# Altium PCB ctrl_boardV1.1.PcbDoc (part 3 of 3)
Units mil, origin at the board's own origin, x right, y up, seen from the top; angles counter-clockwise.
Board outline 8346.46 x 3346.46 mil, 2 copper layers (Top Layer, Bottom Layer); 255 components, 141 nets, 746 pads, 2286 vias.
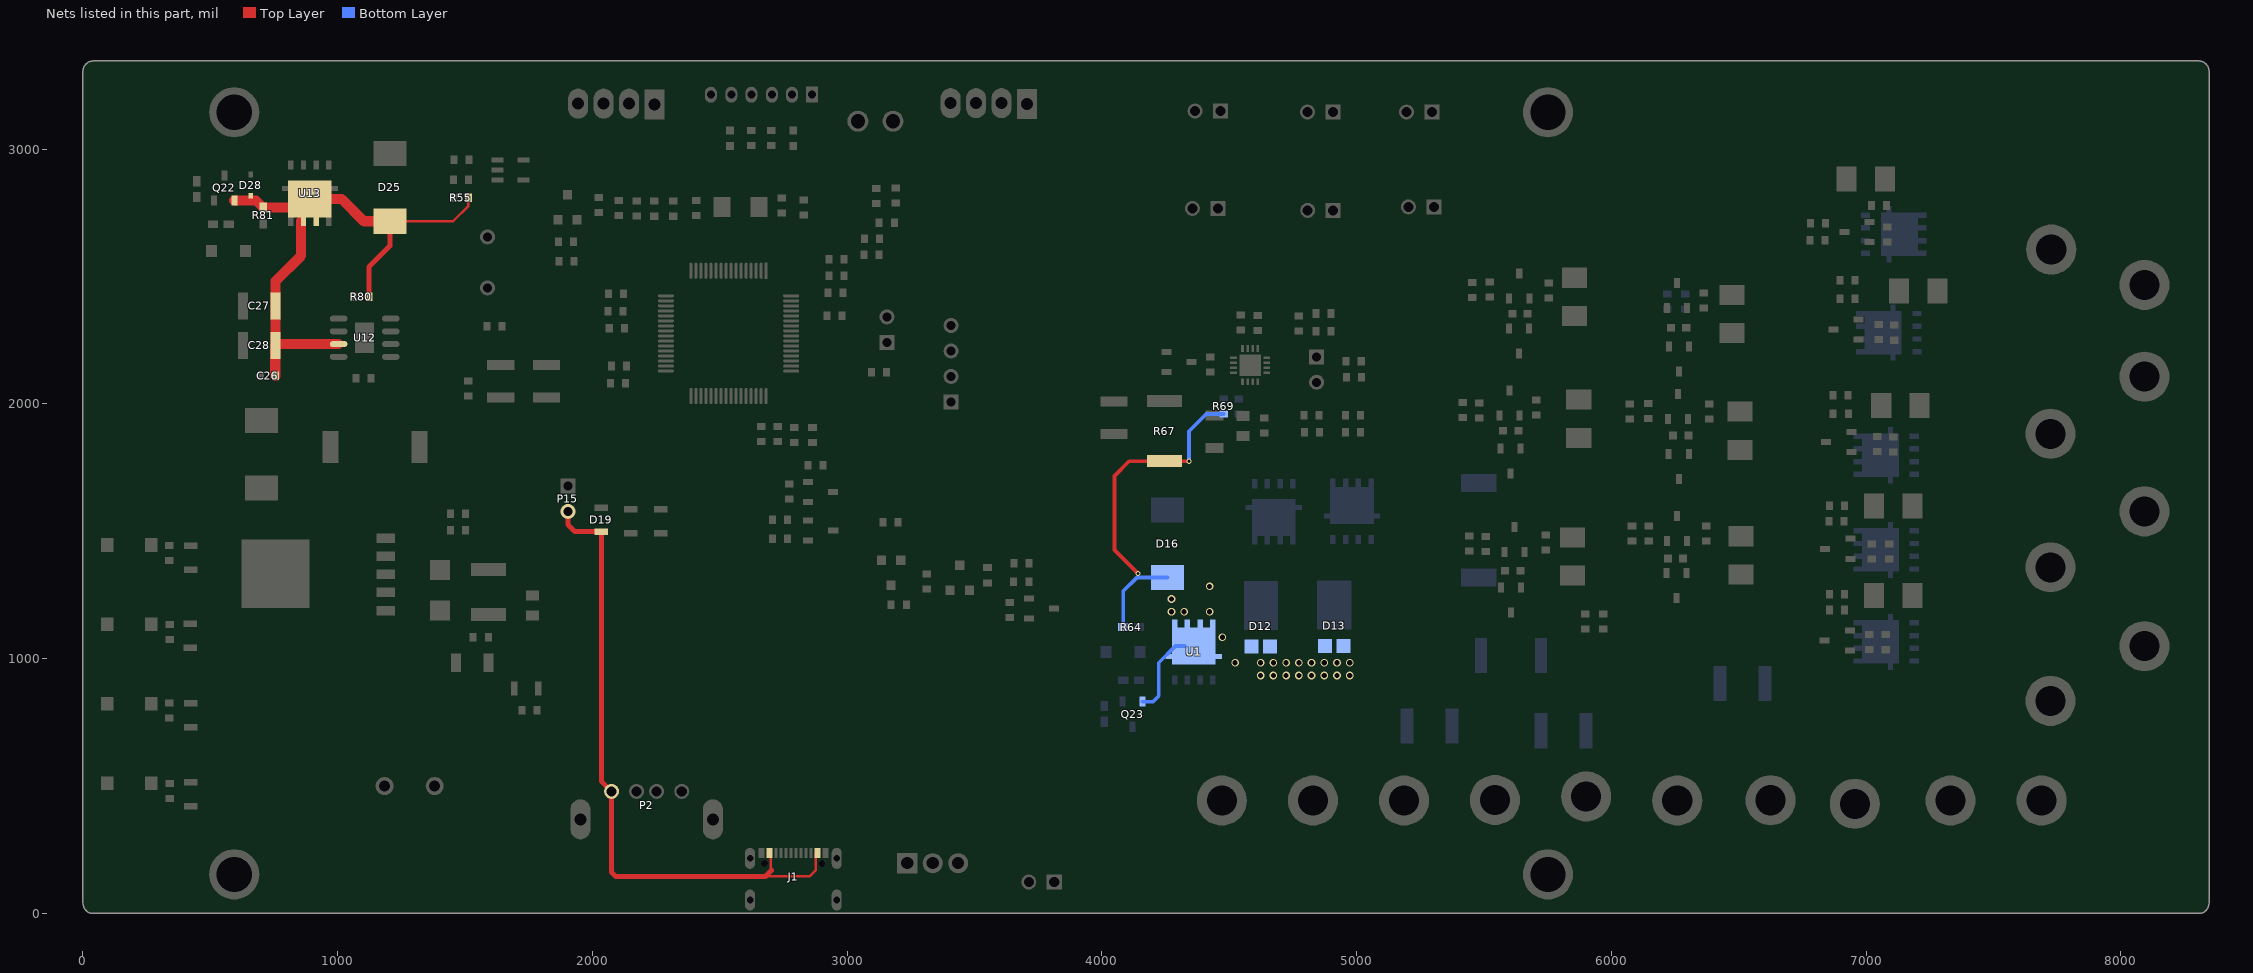
[diagram p3: the nets of this part, all layers, seen from the top]

## Via types
v1: diameter 20, hole 12, Top Layer to Bottom Layer, tented both sides, 2178 vias
v2: diameter 30, hole 20, Top Layer to Bottom Layer, tented both sides, 97 vias
v3: diameter 40, hole 25, Top Layer to Bottom Layer, tented both sides, 3 vias
v4: diameter 55, hole 40, Top Layer to Bottom Layer, tented both sides, 2 vias
v5: diameter 45, hole 30, Top Layer to Bottom Layer, tented both sides, 2 vias
v6: diameter 59.06, hole 39.37, Top Layer to Bottom Layer, 1 vias
v7: diameter 60, hole 40, Top Layer to Bottom Layer, tented both sides, 1 vias
v8: diameter 40, hole 30, Top Layer to Bottom Layer, tented both sides, 1 vias
v9: diameter 50, hole 30, Top Layer to Bottom Layer, tented both sides, 1 vias

## Nets (pads, with @x,y where several pads share a name; then routed paths per layer and width w, separated by ;. In a path a pad name is that pad's centre, name@x,y a point inside that pad or via, vN(x,y) a via of type N, cw(c..) or ccw(c..) an arc to the next point about the centre after c; other vN are vias at no path point) (continued)
VIN_Adatper_OUT: D12.1 D12.2 D13.1 D13.2 D16.2 Q23.2 R64.2 R67.1 R69.1 U1.5 U1.6 U1.7 U1.8 | length 1689.1
  Top Layer w15: v1(4141.15,1334.15) 4049.15,1426.15 4049.15,1717.15 4107.15,1775.15 R67.1@4246.15,1775.15 v1(4342.15,1775.15)
  Bottom Layer w15: R64.2@4084.17,1124.15 4084.17,1265.17 4137.4,1318.4 D16.2@4258.15,1318.4 ; Q23.2@4159.89,831.15 4170.15,831.15 4200.15,831.15 4223.15,854.15 4223.15,884.15 4223.15,984.15 4288.43,1049.43 U1.5@4324.56,1049.43 ; v1(4342.15,1775.15) 4342.15,1893.15 4409.71,1960.71 R69.1@4478.8,1960.71
  other v2: 4623.15,934.15 4673.15,934.15 4723.15,934.15 4773.15,934.15 4823.15,934.15 4873.15,934.15 4923.15,934.15 4973.15,934.15 4973.15,934.15 4523.15,984.15 4623.15,984.15 4673.15,984.15 4723.15,984.15 4773.15,984.15 4823.15,984.15 4873.15,984.15 4923.15,984.15 4973.15,984.15 4473.15,1084.15 4273.15,1184.15 4323.15,1184.15 4423.15,1184.15 4273.15,1234.15 4423.15,1284.15
VIN_BAT: C26.2 C27.1 C28.1 D25.2 D28.2 Q22.2 R55.1 R80.2 R81.2 U12.7 U13.5@854.41,2804.72 U13.6 U13.7 U13.8@936.83,2804.72 | length 2182.1
  Top Layer w10: D25.2@1205,2717.25 1453.25,2717.25 1513,2777 R55.1@1513,2810
  Top Layer w20: R80.2@1122.06,2420 1122.06,2538.06 1205,2621 D25.2@1205,2717.25
  Top Layer w40: Q22.2@594,2799 678.98,2799 R81.2@707,2770.98 820.67,2770.98 U13.5@854.41,2804.72 U13.5@856.25,2802.88 ; C26.2@755.06,2110 755.06,2229.06 C28.1@756,2230 C27.1@756,2385 756,2482 856.25,2582.25 U13.6@856.25,2717.22 ; C28.1@761,2235 U12.7@1003.64,2235 ; U13.8@936.83,2804.72 1015.28,2804.72 1102.75,2717.25 D25.2@1205,2717.25
VUSB: D19.2 J1.A4 J1.A9 J1.B4 J1.B9 P2.1 P15.2 | length 2561.1
  Top Layer w10: 2679,145 2851.99,145 2877.58,170.59 J1.A9@2877.58,237 J1.B4@2889.39,237 ; J1.B9@2688.61,237 J1.A4@2700.42,237 2700.42,172.4 2703.41,169.41
  Top Layer w20: P15.2@1904,1578 1904,1526 1931.49,1498.51 D19.2@2035,1498.51 2035,519.28 P2.1@2075.05,479.24 2075.05,161.95 2092,145 2679,145 2703.41,169.41
pads on no net: J1.2 J1.A5 J1.A8 J1.B5 J1.B8 P9.5 P9.6 R64.0 R65.0 R66.0 R81.0 R82.0 R83.0 U10.2 U10.3 U10.4 U10.25 U10.28 U10.34 U10.35 U10.37 U10.38 U10.39 U10.40 U10.41 U10.50 U10.56 U10.57 U10.61 U10.62 U12.2 U12.3 U13.5@811.88,2845.08 U13.5@815.62,2717.22 U13.8@965.62,2717.22 U13.8@969.36,2845.08

## Polygon pours and split planes (outlines as drawn)
GND on Bottom Layer "GND_L02_P026" (solid, remove dead copper, pour order 26): -216,3476 -78,3614 8534,3614 8534,-249 8377,-406 8276,-305 -262,-305 -262,3420 -160,3522
NetH2-_1 on Bottom Layer "L1_TOP-No Net" (solid, remove dead copper, pour order 23): 7126,2003 7346,2003 7396,1953 7516,1833 7756,1833 8246,1833 8266,1853 8266,1523 8266,1403 8256,1393 8026,1393 7966,1393 7906,1453 7756,1603 7636,1603 7286,1603 7116,1773 7116,1993 7126,2003
NetH1-_1 on Bottom Layer "L1_TOP-No Net" (solid, remove dead copper, pour order 22): 7065.63,2423.56 7625.63,2423.56 7685.63,2423.56 7735.63,2373.56 7775.63,2333.56 7985.63,2333.56 8225.63,2333.56 8265.63,2293.56 8265.63,1913.56 7875.63,1913.56 7855.63,1933.56 7605.63,2183.56 7185.63,2183.56 7085.63,2183.56 7065.63,2203.56 7065.63,2423.56
NetH3-_1 on Bottom Layer "L1_TOP-No Net" (solid, remove dead copper, pour order 21): 7088,1589 7198,1589 7228,1559 7278,1509 7428,1509 7438,1509 7478,1469 7508,1439 7508,1329 7538,1299 7568,1269 7918,1269 8288,1269 8318,1239 8318,799 7898,799 7868,829 7848,849 7848,979 7818,1009 7778,1049 7668,1049 7458,1049 7418,1089 7398,1109 7398,1159 7398,1229 7378,1249 7318,1309 7208,1309 7118,1309 7088,1339 7088,1589
NetH4-_1 on Bottom Layer "L1_TOP-No Net" (solid, remove dead copper, pour order 19): 7137,1287 7357,1287 7377,1267 7417,1227 7417,1187 7417,1137 7517,1037 7527,1027 7527,867 7527,847 7587,787 7597,777 7787,777 7797,777 7857,717 7867,707 7867,297 7527,297 7517,307 7487,337 7487,567 7487,677 7457,707 7437,727 7337,727 7207,727 7167,767 7127,807 7127,1287
GND on Top Layer "GND_L01_P025" (solid, remove dead copper, pour order 25): -71,3585 112,3402 8549,3402 8549,-33 8376,-206 8346,-176 -50,-176 -50,3503 -81,3534 -50,3565 -50,3606

## Keep-outs
Keep-Out Layer:
  lines w10: 17,22 17,3328 8329,3328 8329,22 17,22

## Other copper
Top Layer:
  rectangle net BAT_CHARGE: 5063.15,334.15 5343.15,794.15
  rectangle net BAT_CHARGE: 5733.15,314.15 6053.15,744.15
  rectangle net BAT_CHARGE: 5063.15,604.15 7533.15,944.15
  rectangle net BAT_CHARGE: 7123.15,309.15 7523.15,944.15
  rectangle net BAT_CHARGE: 7443.15,604.15 7923.15,2274.15
  rectangle net air_12V: 7407.15,2482.15 7874.15,2960.15
  rectangle net air_12V: 7213.15,2585.15 7444.15,2963.15
  rectangle net NetD12_3: 4498.15,1216.15 4785.15,1518.15
  rectangle net NetD12_3: 4499.15,1118.15 5051.15,1335.15
  rectangle net VIN_Adatper_OUT: 4592.15,864.15 5028.15,1059.15
  rectangle net VIN_Adatper_OUT: 4244.15,996.15 4355.15,1368.15
  rectangle net BAT_CHARGE: 6481.15,322.15 6764.15,788.15
Bottom Layer:
  rectangle net VIN_Adatper: 4323.15,854.15 4353.15,934.15
  rectangle net VIN_Adatper: 4423.15,854.15 4453.15,934.15
  rectangle net NetC11_1: 4583.15,1664.15 4613.15,1744.15
  rectangle net NetC11_1: 4683.15,1664.15 4713.15,1744.15
  rectangle net NetC12_2: 5253.15,914.15 5573.15,1384.15
  rectangle net BAT_CHARGE_O: 5693.15,1044.15 6483.15,1124.15
  rectangle net BAT_CHARGE_O: 6383.15,825.38 6483.15,1124.15
  rectangle net air_12V: 7213.15,2484.15 7863.15,2974.15
  rectangle net BAT_CHARGE: 6873.15,2674.15 7023.15,2704.15
  rectangle net BAT_CHARGE: 6873.15,2574.15 7023.15,2614.15
  rectangle net BAT_CHARGE: 6553.15,734.15 6873.15,2704.15
  region net VIN_Adatper: 4323.15,874.15 4463.15,874.15 4603.15,734.15 4603.15,364.15 4553.15,314.15 4363.15,314.15 4323.15,354.15
  region net VIN_Adatper_OUT: 4453.15,1164.15 4533.15,1084.15 5003.15,1084.15 5053.15,1034.15 5053.15,874.15 5023.15,844.15 4613.15,844.15 4483.15,974.15 4273.15,974.15 4243.15,1004.15 4243.15,1154.15 4253.15,1164.15
  region net NetD12_3: 4773.15,1634.15 4793.15,1614.15 4793.15,1434.15 4863.15,1364.15 5053.15,1364.15 5093.15,1324.15 5093.15,1134.15 5063.15,1104.15 4543.15,1104.15 4493.15,1154.15 4493.15,1604.15 4523.15,1634.15
  region net NetC11_1: 4583.15,1734.15 4583.15,1814.15 4613.15,1844.15 5673.15,1844.15 5673.15,1524.15 4873.15,1524.15 4853.15,1544.15 4853.15,1684.15 4813.15,1724.15 4593.15,1724.15
  region net VIN_Adatper_OUT: 4130.2,1384.15 4403.15,1384.15 4463.15,1324.15 4463.15,1144.15 4443.15,1124.15 4301.29,1124.15 4221.29,1204.15 4133.15,1204.15 4113.15,1224.15 4113.15,1367.1
  region net BAT_CHARGE: 5853.15,804.15 5853.15,634.15 5773.15,554.15 5773.15,364.15 5823.15,314.15 5983.15,314.15 6033.15,364.15 6033.15,554.15 5943.15,644.15 5943.15,794.15 5933.15,804.15
  region net BAT_CHARGE: 5143.15,814.15 5143.15,644.15 5063.15,564.15 5063.15,374.15 5113.15,324.15 5273.15,324.15 5323.15,374.15 5323.15,564.15 5233.15,654.15 5233.15,804.15 5223.15,814.15
  region net BAT_CHARGE_O: 5345.14,812.16 5671.16,812.16 5692.15,833.15 5692.15,1099.15 5700.15,1107.15 5747.15,1107.15 5761.15,1093.15 5761.15,656.15 5747.15,642.15 5360.15,642.15 5343.15,659.15 5343.15,809.99 5345.23,812.07

## Silkscreen, mask and mechanical layers (free items; w line width, h text height)
Top Overlay:
  text "V1.1" at 575.29,381 h60
Top Solder:
  rectangle: 5088.15,624.15 7454.15,927.15
  rectangle: 7447.15,626.15 7578.15,2265.15
Bottom Solder:
  rectangle: 6581.15,1010.15 6824.04,2697.15
  region: 5964.15,1009.15 6313.15,1009.15 6334.15,988.15 6334.15,781.15 6397.15,718.15 7133.15,718.15 7133.15,590.15 6073.15,590.15 5964.15,699.15
Mechanical 1:
  the board outline again, w10